# Altium PCB MdBBCar_Face_v1.1.PcbDoc (continued)
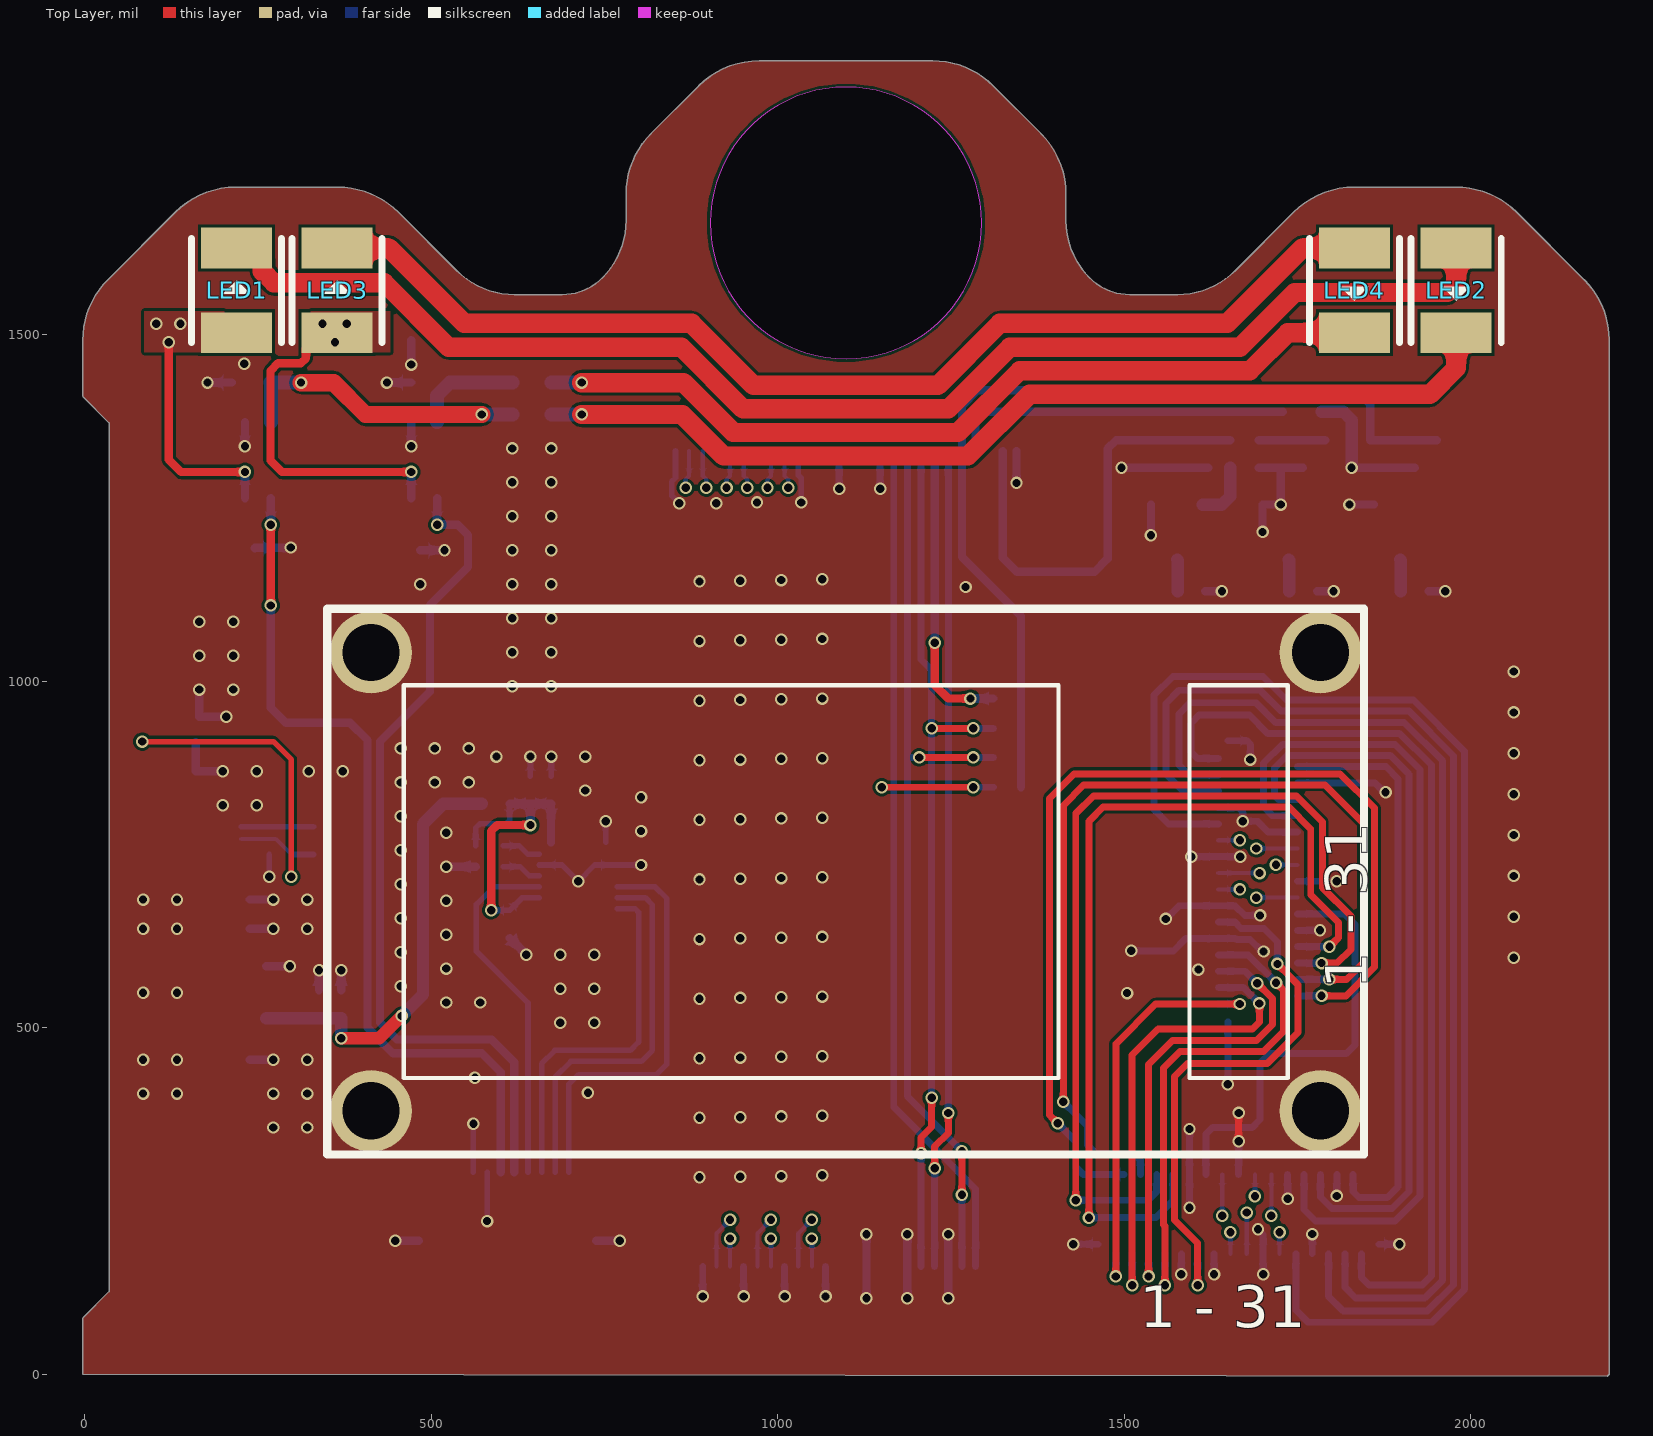
[diagram p0: Top Layer view]
## Components (designator, comment, footprint, x,y, rotation, side; value= is the part's Value field where it differs from the comment)
C1 "10uF" "C 0402_L" 1919,1328 r270 bottom
C2 "100nF" "C 0402_L" 1887,1328 r270 bottom
C3 "100nF" "C 0402_L" 1855,1328 r270 bottom
C4 "10uF" "C 0402_L" 1919,1130 r0 bottom
C5 "10uF" "C 0402_L" 1621,1328 r270 bottom
C6 "100nF" "C 0402_L" 1589,1328 r270 bottom
C7 "100nF" "C 0402_L" 1557,1328 r270 bottom
C8 "100nF" "C 0402_L" 1525,1328 r270 bottom
C9 "10uF" "C 0402_L" 1597,1130 r0 bottom
C10 "10uF" "C 0402_L" 1758,1328 r270 bottom
C11 "100nF" "C 0402_L" 613.06,649.4 r90 bottom
C12 "100nF" "C 0402_L" 584.06,732.4 r0 bottom
C13 "100nF" "C 0402_L" 673,843 r90 bottom
C14 "2.2uF" "C 0402_L" 643,843 r90 bottom
C15 "10uF" "C 0603_L" 217,1192 r180 bottom
C16 "10uF" "C 0603_L" 211,1492 r180 bottom
C17 "10uF" "C 0603_L" 456,1189 r180 bottom
C18 "10uF" "C 0603_L" 451,1492 r180 bottom
C19 "10uF" "C 0603_L" 210,454 r180 bottom
C20 "1uF" "C 0402_L" 338,534 r90 bottom
C21 "0.1uF" "C 0402_L" 370,534 r90 bottom
C22 "100nF" "C 0402_L" 1726,1328 r270 bottom
C23 "100nF" "C 0402_L" 1694,1328 r270 bottom
C24 "10uF" "C 0402_L" 1758,1130 r0 bottom
C25 "47uF" "C 0603_L" 1757,1389 r180 bottom
C26 "22uF" "C 0603_L" 210,643 r180 bottom
C27 "22uF" "C 0603_L" 132,870 r180 bottom
C28 "22uF" "C 0603_L" 132,912 r180 bottom
C29 "100nF" "C 0402_L" 145,949 r0 bottom
C30 "22uF" "C 0603_L" 210,685 r180 bottom
C31 "6.8pF" "C 0402_L" 330,770 r270 bottom
D1 "DSS34" SOD-123FL 115,1431 r270 bottom
D2 "DSS34" SOD-123FL 355,1431 r270 bottom
J1 "FPC-31P(交错脚)" "FPC 1H-WS-31P" 1692.91,711.42 r90 bottom
J2 "FPC-31P(交错脚)" "FPC 1H-WS-31P" 1665,231 r180 bottom
JP1 "FPC1.0-22P" "FPC0.5 2H-WS-22P" 1098.43,254 r0 bottom
JP2 "FPC1.0-26P" "FPC0.5 2H-WS-26P" 1098.43,1234 r180 bottom
JP3 "FPC1.0-10P" "FPC0.5 1H-WS-10P" 610,242 r180 bottom
L1 "FTC252012S2R2" 252012 104,788 r90 bottom
L2 "BLM15AX102SN1D" "L 0402" 593,823 r0 bottom
L3 "FTC252010S4R7MBCA" 252012 112,1290 r90 bottom
L4 "FTC252010S4R7MBCA" 252012 352,1290 r90 bottom
LED1 "红外" "LED 3528-2Pin" 219,1564 r270 top
LED2 "红外" "LED 3528-2Pin" 1979,1564 r90 top
LED3 "白色" "LED 3528-2Pin" 364,1564 r270 top
LED4 "白色" "LED 3528-2Pin" 1832,1564 r90 top
M1 "NUT" SMT-NUT-M1610 1783.07,1041.41 r180 bottom
M2 "NUT" SMT-NUT-M1610 1783.07,379.99 r180 bottom
M3 "NUT" SMT-NUT-M1610 412.99,1041.41 r180 bottom
M4 "NUT" SMT-NUT-M1610 412.99,379.99 r180 bottom
R1 "100K" "R 0402_L" 1331,975 r0 bottom
R2 "100K" "R 0402_L" 1331,932 r0 bottom
R3 "5.1K" "R 0402_L" 1331,890 r0 bottom
R4 "10K" "R 0402_L" 584.06,762.4 r180 bottom
R5 "2R" "R 0603_L" 240,1431 r0 bottom
R6 "1R" "R 0603_L" 499,1431 r0 bottom
R7 "5.1K" "R 0402_L" 1331,847 r0 bottom
R8 "0R" "R 0402_L" 1951,1328 r270 bottom
R9 "0R" "R 0402_L" 1653,1328 r270 bottom
R10 "0R" "R 0402_L" 1790,1328 r270 bottom
R11 "450K" "R 0402_L" 298,770 r270 bottom
R12 "120K" "R 0402_L" 266,770 r90 bottom
R13 "0R" "R 0603_L" 645,1385 r0 bottom
R14 "0R" "R 0603_L" 645,1431 r0 bottom
U1 "CJ6206A18N" SOT23-3L 1898,1215 r0 bottom
U2 "CJ6206A12M" SOT23-3L 1576,1215 r0 bottom
U3 "CJ6206A28N" SOT23-3L 1737,1215 r0 bottom
U4 "MPU6500" "QFN24 3X3" 712.13,711.2 r180 bottom
U5 "AP3031KTR-G1" SOT23-6L 231,1319 r0 bottom
U6 "CJ6206A33M" SOT23-3L 222,551 r270 bottom
U7 "AP3031KTR-G1" SOT23-6L 471,1319 r0 bottom
U8 "SY8843QWC" "QFN7 1.5X1.5" 204,768 r180 bottom

## Footprints (in the part's own frame and the unit in brackets; to place one, negate y for a bottom-side part, rotate by r counter-clockwise, add the part's x,y. Pads: shape width x height; smd on the part's side, far side on the other; paste and mask are expansions set on the pad)
252012 [mm]
  rect 0.85x1.905 smd: 1(-0.83,0) 2(0.83,0)
  silkscreen extent -0.29,-1.1 0.29,1.1, body extent -1.25,-1 1.25,1, height 1.2
"C 0402_L" [mil] "无极性贴片电容"
  rrect50% 20x20 smd: 1(20,0) 2(-20,0)
  silkscreen extent -7,-9 7,9, body extent -20,-10 20,10, height 20
"C 0603_L" [mil] "无极性贴片电容"
  rrect50% 28x30 smd: 1(-28,0) 2(28,0)
  silkscreen extent -10,-15 10,15, body extent -31,-16 31,16, height 31
"FPC0.5 1H-WS-10P" [mm]
  rect 0.6x0.8 smd: 0(-3.25,-1.25) 0(3.25,-1.25)
  rect 0.25x0.8 smd: 1(-2.25,1.25) 2(-1.75,1.25) 3(-1.25,1.25) 4(-0.75,1.25) 5(-0.25,1.25) 6(0.25,1.25) 7(0.75,1.25) 8(1.25,1.25) 9(1.75,1.25) 10(2.25,1.25)
  silkscreen extent -3.5,-2.33 3.5,1.3
"FPC0.5 2H-WS-22P" [mm] "长：15.2mm，宽：5.2mm，高：2mm"
  rect 1.8x2.2 smd: 0(-6.9,0) 0(6.9,0)
  rect 0.3x1.3 smd: 1(-5.25,2.497) 2(-4.75,2.497) 3(-4.25,2.497) 4(-3.75,2.497) 5(-3.25,2.497) 6(-2.75,2.497) 7(-2.25,2.497) 8(-1.75,2.497) 9(-1.25,2.497) 10(-0.75,2.497) 11(-0.25,2.497) 12(0.25,2.497) 13(0.75,2.497) 14(1.25,2.497) 15(1.75,2.497) 16(2.25,2.497) 17(2.75,2.497) 18(3.25,2.497) 19(3.75,2.497) 20(4.25,2.497) 21(4.75,2.497) 22(5.25,2.497)
  silkscreen extent -7.68,-3.3 7.68,3.23, body extent -7.6,-3.15 7.6,2.85, height 2
"FPC0.5 2H-WS-26P" [mm] "长：17.2mm，宽：5.2mm，高：2mm"
  rect 1.8x2.2 smd: 0(-7.9,0) 0(7.9,0)
  rect 0.3x1.3 smd: 1(-6.25,2.497) 2(-5.75,2.497) 3(-5.25,2.497) 4(-4.75,2.497) 5(-4.25,2.497) 6(-3.75,2.497) 7(-3.25,2.497) 8(-2.75,2.497) 9(-2.25,2.497) 10(-1.75,2.497) 11(-1.25,2.497) 12(-0.75,2.497) 13(-0.25,2.497) 14(0.25,2.497) 15(0.75,2.497) 16(1.25,2.497) 17(1.75,2.497) 18(2.25,2.497) 19(2.75,2.497) 20(3.25,2.497) 21(3.75,2.497) 22(4.25,2.497) 23(4.75,2.497) 24(5.25,2.497) 25(5.75,2.497) 26(6.25,2.497)
  silkscreen extent -8.68,-3.3 8.68,3.23, body extent -8.6,-3.15 8.6,2.85, height 2
"FPC 1H-WS-31P" [mm]
  rect 0.3x0.65 smd: 1(-4.5,-1.453) 2(-4.2,1.453) 3(-3.9,-1.453) 4(-3.6,1.453) 5(-3.3,-1.453) 6(-3,1.453) 7(-2.7,-1.453) 8(-2.4,1.453) 9(-2.1,-1.453) 10(-1.8,1.453) 11(-1.5,-1.453) 12(-1.2,1.453) 13(-0.9,-1.453) 14(-0.6,1.453) 15(-0.3,-1.453) 16(0,1.453) 17(0.3,-1.453) 18(0.6,1.453) 19(0.9,-1.453) 20(1.2,1.453) 21(1.5,-1.453) 22(1.8,1.453) 23(2.1,-1.453) 24(2.4,1.453) 25(2.7,-1.453) 26(3,1.453) 27(3.3,-1.453) 28(3.6,1.453) 29(3.9,-1.453) 30(4.2,1.453) 31(4.5,-1.453)
  rect 0.4x0.95 smd: 32(-5.15,-1.103) 33(5.15,-1.103)
  silkscreen extent -5.5,-2.08 5.5,1.6, body extent -5.45,-1.75 5.45,1.65, height 1
"L 0402" [mil] "小功率贴片电感"
  rrect50% 20x20 smd: 1(20,0) 2(-20,0)
  silkscreen extent -6,-9 6,9, body extent -20,-10 20,10, height 20
"LED 3528-2Pin" [mm] "2脚，3528LED"
  rect 1.5x2.6 smd paste+0 mask+0.05: 1(-1.55,0) 2(1.55,0)
  silkscreen extent -1.9,-1.65 1.91,1.65, body extent -1.77,-1.4 1.73,1.4, height 1.95
"QFN7 1.5X1.5" [mm]
  rect 0.7x0.25 smd paste+0 mask+0.05: 1(-0.55,0.563) 2(-0.55,0.113)
  rect 0.25x0.7 smd paste+0 mask+0.05: 3(-0.35,-0.563) 4(0.1,-0.563) 5(0.55,-0.563)
  rect 1.1x0.25 smd paste+0 mask+0.05: 6(0.55,0.113) 7(0.55,0.563)
  silkscreen extent -0.98,-0.66 0.85,0.9
"QFN24 3X3" [mm]
  oct 0.2x0.505 smd paste-100 mask+0.051: 1(-1,-1.427) 6(1,-1.427) 13(1,1.427) 18(-1,1.427)
  rect 0.2x0.505 smd paste-100 mask+0.051: 2(-0.6,-1.427) 3(-0.2,-1.427) 4(0.2,-1.427) 5(0.6,-1.427) 14(0.6,1.427) 15(0.2,1.427) 16(-0.2,1.427) 17(-0.6,1.427)
  oct 0.505x0.2 smd paste-100 mask+0.051: 7(1.427,-1) 12(1.427,1) 19(-1.427,1) 24(-1.427,-1)
  rect 0.505x0.2 smd paste-100 mask+0.051: 8(1.427,-0.6) 9(1.427,-0.2) 10(1.427,0.2) 11(1.427,0.6) 20(-1.427,0.6) 21(-1.427,0.2) 22(-1.427,-0.2) 23(-1.427,-0.6)
  rect 1.7x1.7 smd paste-100 mask+0.051: 25(0,0)
  silkscreen extent -1.58,-2.05 1.58,1.58, body extent -1.5,-1.5 1.5,1.5, height 0.98
"R 0402_L" [mil] "1/16W贴片电阻"
  rrect50% 20x20 smd: 1(20,0) 2(-20,0)
  silkscreen extent -6,-9 6,10, body extent -20,-10 20,10, height 14
"R 0603_L" [mil] "1/10W贴片电阻"
  rrect50% 28x30 smd: 1(-28,0) 2(28,0)
  silkscreen extent -11,-11 11,11, body extent -31,-16 31,16, height 16
SMT-NUT-M1610 [mm]
  round 3 hole 2.1: 1(0,0)
  body extent -1.5,-1.5 1.5,1.5, height 1
SOD-123FL [mil]
  rect 30x45.28 smd: 1(-61.3,2.79) 2(61.96,2.79)
  silkscreen extent -64,-34 56,40, body extent -71,-30 71,34, height 37
SOT23-3L [mil] "3x1.3x1mm(长宽高)"
  rect 36x46 smd: 1(-37.5,-40) 2(37.5,-40)
  rect 36x50 smd: 3(0.5,40)
  silkscreen extent -57,-45 58,45, body extent -59,-47 59,47, height 41
SOT23-6L [mm] "3x1.6x1.1mm(长宽高)"
  rect 0.45x1 smd: 1(-0.95,-1.397) 2(0,-1.397) 3(0.95,-1.397) 4(0.95,1.397) 5(0,1.397) 6(-0.95,1.397)
  silkscreen extent -1.77,-1.78 1.55,0.51, body extent -1.5,-1.4 1.5,1.4, height 1.15

## Part data
C1 C2 C3 C4 C5 C6 C7 C8 C9 C10 C11 C12 C13 C14 C15 C16 C17 C18 C19 C20 C21 C22 C23 C24 C25 C26 C27 C28 C29 C30 C31: library part C, "无极性贴片电容", BOM名称=无极性贴片电容, 学习资源=www.ooocke.com, 版权归属=源创客
D1 D2: "肖特基二极管"
J1 J2: "FPC连接器"
JP1: library part FPC-22P, "FPC连接器", BOM名称=FPC连接器, 学习资源=www.ooocke.com, 版权归属=源创客
JP2: library part FPC-26P, "FPC连接器", BOM名称=FPC连接器, 学习资源=www.ooocke.com, 版权归属=源创客
JP3: library part FPC-10P, "FPC连接器", BOM名称=FPC连接器, 学习资源=www.ooocke.com, 版权归属=源创客
L1 L3 L4: library part L-CD, "贴片功率电感", BOM名称=功率电感, 学习资源=www.ooocke.com, 版权归属=源创客
L2: library part L, "小功率贴片电感", BOM名称=小功率贴片电感, 学习资源=www.ooocke.com, 版权归属=源创客
LED1 LED2 LED3 LED4: library part LED-SMD, "贴片LED", BOM名称=贴片LED, 学习资源=www.ooocke.com, 版权归属=源创客
M1 M2 M3 M4: library part SMTNUT, "SMT表贴螺母"
R1 R2 R3 R4 R5 R6 R7 R8 R9 R10 R11 R12 R13 R14: library part R, "贴片电阻", BOM名称=贴片电阻, 学习资源=www.ooocke.com, 版权归属=源创客
U1 U2 U3 U6: library part LN6206PXXX, "三端稳压芯片 / 6V 250mA"
U4: "6轴IMU"
U5 U7: library part AP3031, "LED驱动"
U8: "DC-DC 1.5M / VIN:2.7~5.5V 3A"

## Via types
v1: diameter 18, hole 12, Top Layer to Bottom Layer, 287 vias

## Nets (pads, with @x,y where several pads share a name; then routed paths per layer and width w, separated by ;. In a path a pad name is that pad's centre, name@x,y a point inside that pad or via, vN(x,y) a via of type N, cw(c..) or ccw(c..) an arc to the next point about the centre after c; other vN are vias at no path point)
5V: C19.2 C26.2 C30.2 JP3.9 JP3.10 U6.3 U8.4 U8.5
AVCC_3V3: C20.2 C21.2 L2.2 U6.2 | length 624.3
  Top Layer w18: v1(370,485) 425,485 v1(457,517)
  Bottom Layer w18: U6.2 369.5,513.5 C21.2 v1(370,485) ; v1(457,517) 488,548 488,794 517,823 L2.2
AVDD_2V8: C10.2 C22.2 C23.2 C25.2 JP2.4 R10.2 | length 588.2
  Bottom Layer w12: JP2.4 1285.43,1375.3 1299.13,1389 C25.2 ; C23.2 C22.2 C10.2 R10.2
C1: J1.1 J2.31 | length 602.5
  Top Layer w10: v1(1487.84,141.07) 1487.84,476.84 1545.25,534.25 v1(1666.87,534.25)
  Bottom Layer w10: v1(1487.84,141.07) J2.31 ; J1.1 v1(1666.87,534.25)
C2: J1.2 J2.30 | length 1483.6
  Top Layer w10: v1(1404,362) 1392,374 1392,831 1427.4,866.4 1811.6,866.4 1861,817 1861,587.37 1819.69,546.06 v1(1784.69,546.06)
  Bottom Layer w10: v1(1404,362) 1430,336 1430,299 1440.8,288.2 J2.30 ; J1.2 v1(1784.69,546.06)
C3: J1.3 J2.29 | length 676.7
  Top Layer w10: v1(1511.45,128.3) 1511.45,460.45 1549,498 1685,498 1695,508 v1(1695,535)
  Bottom Layer w10: v1(1511.45,128.3) J2.29 ; J1.3 1672.13,557.87 v1(1695,535)
C4: J1.4 J2.28 | length 1384.6
  Top Layer w10: v1(1412,393) 1412,821 1441.4,850.4 1789.6,850.4 1845,795 1845,594 1820.68,569.68 v1(1796.07,569.68)
  Bottom Layer w10: v1(1412,393) 1447,358 1447,331 1460,318 1514,318 1523.27,308.74 J2.28 ; J1.4 v1(1796.07,569.68)
C5: J1.5 J2.27 | length 673.7
  Top Layer w10: v1(1535.07,141.07) 1535.07,447.07 1569.4,481.4 1691.03,481.4 1714,504.37 1714,542 v1(1692,564)
  Bottom Layer w10: v1(1535.07,141.07) J2.27 ; J1.5 1674.51,581.49 v1(1692,564)
C6: J1.6 J2.26 | length 1372.6
  Top Layer w10: v1(1430,251) 1430,809 1455.4,834.4 1748.6,834.4 1786,797 1786,702 1827,661 1827,613 1807.31,593.31 v1(1784.69,593.31)
  Bottom Layer w10: v1(1430,251) 1534,251 1546.89,263.89 J2.26 ; J1.6 v1(1784.69,593.31)
C7: J1.7 J2.25 | length 729.8
  Top Layer w10: v1(1558.7,128.3) 1558.7,213.67 1556.7,215.67 1556.7,441.7 1580.4,465.4 1700.73,465.4 1730,494.67 1730,554 v1(1719,565)
  Bottom Layer w10: v1(1558.7,128.3) J2.25 ; J1.7 1678.88,605.12 v1(1719,565)
C8: J1.8 J2.24 | length 1320.8
  Top Layer w10: v1(1449,226) 1449,798 1469.4,818.4 1737.6,818.4 1769.06,786.94 1769.06,691.94 1809,652 1809,629.86 v1(1796.07,616.93)
  Bottom Layer w10: v1(1449,226) 1546,226 1570.52,250.51 J2.24 ; J1.8 v1(1796.07,616.93)
C11: J1.11 J2.21 | length 805.6
  Top Layer w10: v1(1605.94,128.3) 1605.94,189.05 1572.7,222.3 1572.7,429.7 1591.4,448.4 1706.36,448.4 1751,493.04 1751,562 v1(1721,592)
  Bottom Layer w10: v1(1605.94,128.3) J2.21 ; J1.11 1659.64,652.36 1668.76,643.24 1701.76,643.24 1721,624 v1(1721,592)
C12: J1.12 J2.20 | length 637.9
  Bottom Layer w10: J2.20 1617.76,346.63 1627.13,356 1684.72,356 1696,367.28 1696,449 1710,463 1821,463 1833,475 1833,649 1817.83,664.17 J1.12
C23: J1.23 J2.9 | length 1898.7
  Bottom Layer w10: J1.23 1563.88,794.09 1543.06,814.91 1543.06,980.06 1570,1007 1700,1007 1734.23,972.77 1917.23,972.77 1991.06,898.94 1991.06,122.18 1943.88,75 1765,75 1747.68,92.32 J2.9
C24: J1.24 J2.8 | length 1224.9
  Bottom Layer w10: J1.24 1714.1,805.9 1701,819 1701,881.71 1728.06,908.77 1890.72,908.77 1927.06,872.43 1927.06,257.26 1890.8,221 1776,221 1759.48,237.51 J2.8
C26: J1.26 J2.6 | length 1067.6
  Bottom Layer w10: J1.26 1722.86,829.53 1717,835.39 1717,875.08 1734.69,892.77 1884.09,892.77 1911.06,865.8 1911.06,263.89 1886.18,239 1799.54,239 1783.1,255.44 J2.6
C27: J1.27 J2.5 | length 1679.8
  Bottom Layer w10: J1.27 1584.66,841.34 1560,866 1560,968 1579,987 1696,987 1726.23,956.77 1910.6,956.77 1975.06,892.31 1975.06,128.81 1937.25,91 1816,91 1794.93,112.07 J2.5
C29: J1.29 J2.3 | length 1513.8
  Bottom Layer w10: J1.29 1593.04,864.96 1579,879 1579,953 1595,969 1690,969 1718.23,940.77 1903.97,940.77 1959.06,885.68 1959.06,135.44 1933.63,110 1834,110 1818.55,125.45 J2.3
C30: J1.30 J2.2 | length 840.2
  Bottom Layer w10: J1.30 1877.46,876.77 1895.06,859.17 1895.06,270.51 1879.55,255 1839,255 1830.35,263.64 J2.2
C31: J1.31 J2.1 | length 1348.1
  Bottom Layer w10: J1.31 1605.62,888.58 1596,898.2 1596,939 1608,951 1680.46,951 1706.69,924.77 1897.35,924.77 1943.06,879.05 1943.06,142.06 1930,129 1853,129 1842.16,139.84 J2.1
CAM_3V3: C4.2 C9.2 C24.2 JP1.22 U1.3 U2.3 U3.3 | length 135.6
  Bottom Layer w18: U2.3 1577,1174.5 C9.2 ; U3.3 1738,1174.5 C24.2 ; U1.3 1899,1174.5 C4.2
CAM_MCLK: JP1.18 JP2.6 | length 1184.8
  Top Layer w10: v1(1226.38,297.38) 1226.38,328.38 1246.06,348.06 v1(1246.06,376.94)
  Bottom Layer w10: JP1.18 v1(1226.38,297.38) ; v1(1246.06,376.94) JP2.6
CAM_PWDN: JP2.7 R1.2 | length 430.4
  Top Layer w12: v1(1226.38,1055.62) 1226.38,994.62 1246,975 v1(1278,975)
  Bottom Layer w12: v1(1226.38,1055.62) JP2.7 ; v1(1278,975) R1.2
CAM_RST: JP1.17 JP2.8 R2.2 | length 1278.3
  Top Layer w10: v1(1206.69,318.69) 1206.69,341.43 1222,356.74 v1(1222,399) ; v1(1222,932) v1(1282,932)
  Bottom Layer w10: JP1.17 v1(1206.69,318.69) ; JP2.8 1206.69,1031.31 1222,1016 v1(1222,399) ; v1(1282,932) R2.2
CAM_SCL: JP1.20 JP2.9 R3.2 | length 1333.2
  Top Layer w10: v1(1204,890) v1(1282,890) ; v1(1265.75,258.75) v1(1265.75,321.75)
  Bottom Layer w10: JP2.9 1187.01,890 ; v1(1204,890) 1187.01,890 ; JP1.20 v1(1265.75,258.75) ; v1(1265.75,321.75) 1187.01,400.49 1187.01,890 ; v1(1282,890) R3.2
CAM_SDA: JP1.21 JP2.10 R7.2 | length 1404.3
  Top Layer w10: v1(1150,847) v1(1282,847)
  Bottom Layer w10: v1(1150,847) 1166.32,847 1167.32,848 ; JP2.10 1167.32,848 ; v1(1282,847) R7.2 ; JP1.21 1285.43,267.57 1167.32,385.68 1167.32,848
CSI_CLK_N: JP1.2 JP2.24 | length 1209
  SIG w4.79: v1(896.89,1279.16) 887.36,1269.63 887.36,1190.9 922,1156.26 922,232.1 v1(931.1,223)
  Bottom Layer w6: JP2.24 891.73,1296.16 896.89,1291 v1(896.89,1279.16) ; JP1.2 911.42,203.31 v1(931.1,223)
CSI_CLK_P: JP1.3 JP2.25 | length 1205.3
  SIG w4.79: v1(867.05,1279.16) 876.57,1269.63 876.57,1186.43 911.21,1151.79 911.21,215.68 v1(931.1,195.79)
  Bottom Layer w6: v1@866.89,1279.16 866.89,1291 872.05,1296.16 JP2.25 ; JP1.3 v1(931.1,195.79)
CSI_D0_N: JP1.5 JP2.21 | length 1209
  SIG w4.79: v1(955.94,1279.16) 946.42,1269.63 946.42,1206.84 981,1172.26 981,232.16 v1(990.16,223)
  Bottom Layer w6: JP2.21 950.79,1296.16 955.94,1291 v1(955.94,1279.16) ; JP1.5 970.47,203.31 v1(990.16,223)
CSI_D0_P: JP1.6 JP2.22 | length 1205.3
  SIG w4.79: v1(926.1,1279.16) 935.63,1269.63 935.63,1202.37 970.21,1167.79 970.21,215.74 v1(990.16,195.79)
  Bottom Layer w6: v1@925.94,1279.16 925.94,1291 931.1,1296.16 JP2.22 ; JP1.6 v1(990.16,195.79)
CSI_D1_N: JP1.8 JP2.18 | length 1209
  SIG w4.79: v1(1015,1279.16) 1005.47,1269.63 1005.47,1215.53 1041,1180 1041,231.21 v1(1049.21,223)
  Bottom Layer w6: JP2.18 1009.84,1296.16 1015,1291 v1(1015,1279.16) ; JP1.8 1029.53,203.31 v1(1049.21,223)
CSI_D1_P: JP1.9 JP2.19 | length 1205.3
  SIG w4.79: v1(985.16,1279.16) 994.68,1269.63 994.68,1211.06 999.37,1206.37 1030.21,1175.53 1030.21,214.79 v1(1049.21,195.79)
  Bottom Layer w6: v1@985,1279.16 985,1291 990.16,1296.16 JP2.19 ; JP1.9 v1(1049.21,195.79)
DOVDD_1V8: C1.2 C2.2 C3.2 JP2.5 R1.1 R2.1 R3.1 R7.1 R8.2 | length 1340.3
  Bottom Layer w12: R7.1 R3.1 R2.1 R1.1 1351,1094 1265.75,1179.25 JP2.5 1265.75,1397.49 1288.25,1420 1834.33,1420 1855,1399.33 C3.2 C2.2 C1.2 R8.2
DVDD_1V2: C5.2 C6.2 C7.2 C8.2 JP2.2 R9.2 | length 662.2
  Bottom Layer w12: JP2.2 1324.8,1178.2 1345,1158 1457,1158 1476,1177 1476,1335.55 1488.45,1348 C8.2 C7.2 C6.2 C5.2 R9.2
GND: C1.1 C2.1 C3.1 C4.1 C5.1 C6.1 C7.1 C8.1 C9.1 C10.1 C11.2 C12.2 C13.1 C14.1 C15.1 C16.1 C17.1 C18.1 C19.1 C20.1 C21.1 C22.1 C23.1 C24.1 C25.1 C26.1 C27.1 C28.1 C29.1 C30.1 J1.9 J1.10 J1.13 J1.16 J1.19 J1.22 J1.25 J1.28 J1.32 J1.33 J2.4 J2.7 J2.10 J2.13 J2.16 J2.19 J2.22 J2.23 J2.32 J2.33 JP1.1 JP1.4 JP1.7 JP1.10 JP1.13 JP1.16 JP1.19 JP2.1 JP2.11 JP2.14 JP2.17 JP2.20 JP2.23 JP2.26 JP3.0 JP3.7 JP3.8 M1.1 M2.1 M3.1 M4.1 R5.1 R6.1 R12.2 U1.1 U2.1 U3.1 U4.11 U4.18 U4.20 U4.25 U5.2 U6.1 U7.2 U8.7 | length 8682
  Top Layer w10: v1(1664.99,335.99) v1(1664.99,376.99)
  SIG w10: v1(858,1257) 858,1174 891.73,1140.27 v1(891.73,112.16)
  SIG w12: v1(911,1257) 911,1193 950.79,1153.21 v1(950.79,112.16) ; v1(970,1258) 970,1210 1009.84,1170.16 v1(1009.84,112.16) ; v1(1034,1258) 1034,1215 1068.9,1180.1 v1(1068.9,112.16)
  Bottom Layer w8: v1(266,718) R12.2 ; JP3.8 v1(560.78,361.43) ; v1(580.47,221) JP3.7 ; C14.1 v1(643,891.34) ; U4.11 688.51,734.82 v1(712.13,711.2) 735.75,734.82 U4.20 v1(802.64,734.82) ; C13.1 v1(673,891.34) ; U4.18 v1(751.5,797.84) ; JP2.26 852.36,1293.36 847,1288 847,1268 v1(858,1257) ; JP2.17 1029.53,1297.47 1034,1293 v1(1034,1258)
  Bottom Layer w10: v1(891.73,112.16) JP1.1 ; v1(950.79,112.16) JP1.4 ; v1(1009.84,112.16) JP1.7 ; v1(1068.9,112.16) JP1.10 ; v1(1088.58,1277.58) JP2.14 ; v1(1147.64,1277.58) JP2.11 ; v1(1426.43,187.57) J2.33 ; v1(1510,611) 1571,611 1588.74,628.74 J1.9 1660.63,628.74 1662.13,627.24 1681.59,627.24 1698.84,610 v1(1701,610) ; v1(1560,657) 1578.98,675.98 J1.13 1660.02,675.98 1674,662 v1(1696,662) ; v1(1582.32,144.43) J2.23 ; v1(1594.14,240.14) J2.22 v1(1594.14,353.86) ; v1(1596.85,746.85) J1.19 v1(1667.15,746.85) ; v1(1629.56,144.43) J2.19 ; J1.25 1665.06,817.71 1670.91,811.85 1670.91,798.09 v1(1671,798) 1692,798 1707.72,782.28 J1.22 ; v1(1649.49,418.51) J1.32 ; J1.33 1676.83,914.17 1682,909 v1(1682,887) ; J2.16 v1(1664.99,335.99) ; v1(1693,209) 1700.44,201.57 J2.13 v1(1700.44,144.43) ; v1(1735.86,253.14) J2.10 ; J1.10 v1(1782.45,640.55) ; J1.16 v1(1806.58,711.42) ; J1.28 1861.75,853.15 1874.9,840 v1(1877.06,840) ; J2.7 v1(1771.3,202.3) ; v1(1806.73,257.26) J2.4 ; J2.32 v1(1897.12,187.57)
  Bottom Layer w12: C28.1 C27.1 v1(199,870) ; v1(165,988) C29.1 v1(204,949) ; v1(177,1431) R5.1 ; v1(231,1339) U5.2 ; C19.1 v1(272,454) ; C26.1 v1(272,643) ; C30.1 v1(272,685) ; C15.1 245.5,1192.5 296.5,1192.5 v1(297,1193) ; U6.1 v1(296,588.5) ; C20.1 v1(338,583) ; C21.1 v1(370,583) ; v1(436,1431) R6.1 ; v1(448.05,192.78) JP3.0@482.05,192.78 ; v1(471,1339) U7.2 ; v1(471,1457) C18.1@471,1492 ; C17.1 v1(519,1189) ; v1(521.6,732.4) C12.2 ; C11.2 v1(637.06,605.4) ; JP3.0@737.95,192.78 v1(771.95,192.78) ; v1(1127.95,109.39) JP1.13 v1(1127.95,201.99) ; v1(1187.01,109.39) JP1.16 v1(1187.01,201.99) ; v1(1246.06,109.39) JP1.19 v1(1246.06,201.99) ; v1(1344.49,1286.14) JP2.1 ; v1(1496,1308) C8.1 C7.1 C6.1 C5.1 ; v1(1538.5,1210.5) U2.1 ; C9.1 v1(1641,1130) ; C23.1 C22.1 ; v1(1699.5,1215.5) U3.1 v1(1726,1255) C22.1 ; C10.1 C22.1 ; C24.1 v1(1802,1130) ; v1(1825,1255) U1.1 ; v1(1828,1308) C3.1 C2.1 C1.1 ; C4.1 v1(1963,1130)
  Bottom Layer w18: C25.1 1816,1389 1828,1377 v1(1828,1308)
  other v1: 887,284 946,285 1005,286 1064,287 272,356 321,356 887,370 946,371 1005,372 1064,373 84,405 133,405 272,405 321,405 726,406 563,428 84,454 133,454 321,454 887,456 946,457 1005,458 1064,459 686.06,507.4 735.06,507.4 521.6,536.4 570.6,536.4 887,542 946,543 1005,544 1064,545 84,550.5 133,550.5 1504,550 686.06,556.4 735.06,556.4 456,560 1607,584 521.6,585.4 2062.06,601 686.06,605.4 735.06,605.4 456,609 887,628 946,629 1005,630 1064,631 521.6,634.4 84,643 133,643 321,643 456,658 2062.06,660 521.6,683.4 84,685 133,685 321,685 456,707 887,714 946,715 1005,716 1064,717 2062.06,719 456,756 2062.06,778 521.6,781.4 802.64,783.82 887,800 946,801 1005,802 1064,803 456,805 199,821 248,821 802.64,832.82 2062.06,837 722,842.34 456,854 505,854 554,854 248,870 323,870 372,870 887,886 946,887 1005,888 1064,889 594,891.34 722,891.34 2062.06,896 456,903 505,903 554,903 2062.06,955 887,972 946,973 1005,974 1064,975 214,988 617,993 673,993 2062.06,1014 165,1037 214,1037 617,1042 673,1042 887,1058 946,1059 1005,1060 1064,1061 165,1086 214,1086 617,1091 673,1091 1271,1136 484,1140 617,1140 673,1140 887,1144 946,1145 1005,1146 1064,1147 617,1189 673,1189 617,1238 673,1238 617,1287 673,1287 617,1336 673,1336 230,1458
IMU_3V3: C11.1 C13.2 C14.2 L2.1 R4.1 U4.8 U4.13 | length 501
  Top Layer w12: v1(586.37,669.4) 586.37,783.71 595.13,792.46 v1(643,792.46)
  Bottom Layer w8: R4.1 564.06,788.4 570.06,794.4 608.06,794.4 613,799.34 L2.1 ; v1(586.37,669.4) C11.1 631.24,687.58 U4.8
  Bottom Layer w12: L2.1 C14.2 ; v1(643,792.46) C14.2 ; U4.13 672.76,822.76 C13.2 C14.2
IMU_CLK: JP3.2 U4.23 | length 558.7
  Bottom Layer w8: JP3.2 678.89,428.89 701.4,451.4 803.06,451.4 819.06,467.4 819.06,677.4 808.88,687.58 U4.23
IMU_CS: JP3.1 U4.22 | length 598.5
  Bottom Layer w8: JP3.1 698.58,418.58 712.4,432.4 825.06,432.4 840.06,447.4 840.06,686.4 823.13,703.33 U4.22
IMU_INT: R4.2 U4.12 | length 56.8
  Bottom Layer w8: R4.2 627.06,762.4 638.89,750.57 U4.12
IMU_MISO: JP3.4 U4.9 | length 519
  Bottom Layer w8: JP3.4 639.52,535.94 565.06,610.4 565.06,678 590.4,703.33 U4.9
IMU_MOSI: JP3.3 U4.24 | length 529.7
  Bottom Layer w8: JP3.3 659.21,448.21 678.4,467.4 787.06,467.4 799.06,479.4 799.06,666.4 793.63,671.83 U4.24
LED1_PWM: JP3.6 U5.4 | length 1239.7
  Top Layer w12: v1(268.4,1109.4) v1(268.4,1226)
  Bottom Layer w12: v1(268.4,1109.4) 268.4,961.6 290,940 383,940 408,915 408,500 445,463 573,463 600.15,435.85 JP3.6 ; v1(268.4,1226) U5.4
LED2_PWM: JP3.5 U7.4 | length 1221.5
  Bottom Layer w12: U7.4 v1(508.4,1226) 538,1226 553,1211 553,1165 498,1110 498,985 426,913 426,507.46 450.46,483 587,483 619.84,450.16 JP3.5
LIGHT_2V85: C15.2 C17.2 C27.2 C28.2 C29.2 C31.1 L1.2 L3.1 L4.1 R11.1 U5.6 U7.6 U8.2 | length 540.4
  Top Layer w8: v1(83,913) 272,913 298,887 v1(298,718)
  Bottom Layer w6: U8.2 275.57,772.43 R11.1
  Bottom Layer w8: v1(298,718) R11.1 C31.1
MIPI_TX0_N: J1.21 J2.11 | length 937.9
  SIG w4.79: v1(1666.97,770.47) 1682.29,785.79 1831.47,785.79 1862,755.26 1862,250.74 1829.22,217.97 1736.97,217.97 v1(1724.06,205.05)
  Bottom Layer w6: J1.21 v1(1666.97,770.47) ; J2.11 v1(1724.06,205.05)
MIPI_TX0_P: J1.20 J2.12 | length 942.6
  SIG w4.79: v1(1690.67,758.66) 1707.01,775 1827,775 1851.21,750.79 1851.21,255.21 1824.76,228.76 v1(1712.24,228.76)
  Bottom Layer w6: v1@1690.24,758.66 v1(1690.67,758.66) J1.20 ; v1@1712.24,228.33 v1(1712.24,228.76) J2.12
MIPI_TX1_N: J1.18 J2.14 | length 937.9
  SIG w4.79: v1(1688.62,256.95) 1673.79,271.79 1592.21,271.79 1576,288 1576,311.19 cw(c1582.24,311.19) 1582.24,317.42 1605.79,317.42 ccw(c1605.79,323.66) 1612.03,323.66 1612.03,331.98 ccw(c1605.79,331.98) 1605.79,338.21 1582.24,338.21 cw(c1582.24,344.45) 1576,344.45 1576,372 1576,390.61 1576,487.97 cw(c1582.24,487.97) 1582.24,494.21 1621.52,494.21 ccw(c1621.52,511.24) 1638.54,511.24 1638.54,519.55 ccw(c1621.52,519.55) 1621.52,536.58 1582.24,536.58 cw(c1582.24,542.82) 1576,542.82 1576,550.61 1576,616.74 1594.26,635 1709.26,635 1730.79,656.53 1730.79,723.12 v1(1718.87,735.04)
  Bottom Layer w6: v1(1688.62,256.95) J2.14 ; v1(1718.87,735.04) J1.18
MIPI_TX1_P: J1.17 J2.15 | length 938.8
  SIG w4.79: v1(1676.81,233.26) 1649.07,261 1587.74,261 1565.21,283.53 1565.21,390.61 1565.21,487.97 cw(c1582.24,487.97) 1582.24,505 1621.52,505 ccw(c1621.52,511.24) 1627.75,511.24 1627.75,519.55 ccw(c1621.52,519.55) 1621.52,525.79 1582.24,525.79 cw(c1582.24,542.82) 1565.21,542.82 1565.21,550.61 1565.21,621.21 1589.79,645.79 1704.79,645.79 1720,661 1720,698.4 v1(1695.17,723.23)
  Bottom Layer w6: J1.17 v1(1695.17,723.23) v1@1695.59,723.23 ; J2.15 v1(1676.81,233.26) v1@1676.81,233.68
MIPI_TX2_N: J1.15 J2.17 | length 940
  SIG w4.79: v1@1653.03,205.21 v1(1653.19,205.05) 1552.69,205.05 1530.37,227.37 1527.21,230.53 1527.21,247.16 1527.21,249.56 ccw(c1520.97,249.56) 1520.97,255.79 1509.84,255.79 cw(c1509.84,262.03) 1503.6,262.03 1503.6,270.35 cw(c1509.84,270.35) 1509.84,276.58 1520.97,276.58 ccw(c1520.97,282.82) 1527.21,282.82 1527.21,297.6 1527.21,334.23 1527.21,363.08 ccw(c1520.97,363.08) 1520.97,369.31 1517.7,369.31 cw(c1517.7,386.34) 1500.67,386.34 1500.67,394.66 cw(c1517.7,394.66) 1517.7,411.68 1521.01,411.68 ccw(c1521.01,417.92) 1527.24,417.92 1527.24,426.24 ccw(c1521.01,426.24) 1521.01,432.47 1492.82,432.47 cw(c1492.82,449.5) 1475.79,449.5 1475.79,457.82 cw(c1492.82,457.82) 1492.82,474.84 1520.97,474.84 ccw(c1520.97,481.08) 1527.21,481.08 1527.21,520.45 1527.21,664.47 1530.37,667.63 1550.74,688 1655.37,688 v1(1666.97,699.6)
  Bottom Layer w6: J1.15 v1(1666.97,699.6) ; J2.17 v1(1653.19,205.05)
MIPI_TX2_P: J1.14 J2.18 | length 940.7
  SIG w4.79: v1(1641.38,228.76) 1629.62,217 1556,217 1538,235 1538,334.23 1538,363.08 ccw(c1520.97,363.08) 1520.97,380.1 1517.7,380.1 cw(c1517.7,386.34) 1511.46,386.34 1511.46,394.66 cw(c1517.7,394.66) 1517.7,400.89 1521.01,400.89 ccw(c1521.01,417.92) 1538.03,417.92 1538.03,426.24 ccw(c1521.01,426.24) 1521.01,443.26 1492.82,443.26 cw(c1492.82,449.5) 1486.58,449.5 1486.58,457.82 cw(c1492.82,457.82) 1492.82,464.05 1520.97,464.05 ccw(c1520.97,481.08) 1538,481.08 1538,520.45 1538,660 1555.21,677.21 1680.09,677.21 v1(1690.67,687.79)
  Bottom Layer w6: v1@1641.38,228.33 v1(1641.38,228.76) J2.18 ; v1@1690.24,687.79 v1(1690.67,687.79) J1.14
NetC12_1: C12.1 U4.10 | length 57.4
  Bottom Layer w8: C12.1 628.06,732.4 641.39,719.07 U4.10
NetC16_2: C16.2 D1.1 LED1.2 U5.5 | length 324.5
  Top Layer w12: v1(121,1489) 121,1320 139,1302 v1(231,1302)
  Bottom Layer w12: U5.5 v1(231,1302)
  other v1: 103,1516 138,1516
NetC18_2: C18.2 D2.1 LED3.2 U7.5 | length 495.1
  Top Layer w12: v1(361,1489) 328.37,1489 318.82,1479.45 318.82,1466.03 311.79,1459 279,1459 268,1448 268,1318.64 284.64,1302 v1(471,1302)
  Bottom Layer w12: U7.5 v1(471,1302)
  other v1: 343,1516 378,1516
NetC31_2: C31.2 R11.2 R12.1 U8.1 | length 104.4
  Bottom Layer w8: U8.1 329.85,790.15 C31.2
NetD1_2: D1.2 L3.2 U5.1
NetD2_2: D2.2 L4.2 U7.1
NetL1_1: L1.1 U8.6
NetLED1_1: LED1.1 LED2.2 | length 1992.7
  Top Layer w28: LED1.1 240.65,1625.02 256.18,1609.49 256.18,1591.4 272.58,1575 432,1575 525,1482 861,1482 950,1393 1246,1393 1335,1482 1667,1482 1746,1561 1966,1561 1979,1574 LED2.2
NetLED2_1: LED2.1 R13.2 | length 1434.4
  Top Layer w28: v1(717,1385) 861.83,1385 921.83,1325 1274.17,1325 1363.17,1414 1941,1414 1979,1452 LED2.1
  Bottom Layer w20: R13.2 v1(717,1385)
NetLED3_1: LED3.1 LED4.2 | length 1632
  Top Layer w28: LED3.1 438.98,1625.02 547.65,1516.35 875.65,1516.35 965,1427 1231,1427 1320.35,1516.35 1648.35,1516.35 1757.02,1625.02 LED4.2
NetLED4_1: LED4.1 R14.2 | length 1248.5
  Top Layer w28: v1(717,1431) 863.92,1431 935.92,1359 1260.08,1359 1349.08,1448 1681.08,1448 1736.06,1502.98 LED4.1
  Bottom Layer w20: R14.2 v1(717,1431)
NetR5_2: R5.2 R13.1 U5.3 | length 425.2
  Top Layer w25: v1(312,1431) 359,1431 405,1385 v1(573,1385)
  Bottom Layer w20: U5.3 268.4,1430.6 R5.2 v1(312,1431) ; v1(573,1385) R13.1
NetR6_2: R6.2 R14.1 U7.3 | length 154.7
  Bottom Layer w20: U7.3 508.4,1412.4 R6.2 R14.1
NetR8_1: R8.1 U1.2
NetR9_1: R9.1 U2.2 | length 85.5
  Bottom Layer w18: U2.2 1641,1255 1653,1267 R9.1
NetR10_1: R10.1 U3.2
pads on no net: JP1.0 JP1.11 JP1.12 JP1.14 JP1.15 JP2.0 JP2.3 JP2.12 JP2.13 JP2.15 JP2.16 U4.1 U4.2 U4.3 U4.4 U4.5 U4.6 U4.7 U4.14 U4.15 U4.16 U4.17 U4.19 U4.21 U8.3

## Polygon pours and split planes (outlines as drawn)
GND on Bottom Layer "GND_L04_P033" (solid, remove dead copper, pour order 33): -3.02,0 -3.02,80 -2.13,82.13 34.98,119.25 34.98,1372.75 -2.13,1409.87 -3.02,1412 -3.02,1492 cw(c120.71,1492) 33.22,1579.49 130.51,1676.78 cw(c218,1589.29) 218,1713.02 365,1713.02 cw(c365,1589.29) 452.49,1676.78 536.78,1592.49 ccw(c620,1675.71) 620,1558.02 689.15,1558.02 ccw(c689.15,1639.14) 746.51,1581.78 ccw(c663.29,1665) 780.98,1665 780.98,1703 cw(c904.71,1703) 817.22,1790.49 885.94,1859.2 cw(c973.42,1771.71) 973.42,1895.44 1223.42,1895.44 cw(c1223.42,1771.71) 1310.91,1859.2 1379.63,1790.49 cw(c1292.14,1703) 1415.86,1703 1415.86,1665 ccw(c1533.56,1665) 1450.34,1581.78 ccw(c1507.7,1639.14) 1507.7,1558.02 1576.85,1558.02 ccw(c1576.85,1675.71) 1660.07,1592.49 1744.36,1676.78 cw(c1831.85,1589.29) 1831.85,1713.02 1978.85,1713.02 cw(c1978.85,1589.29) 2066.34,1676.78 2163.63,1579.49 cw(c2076.14,1492) 2199.86,1492 2199.86,1422.83 2199.87,0 2196.85,-3.01
LIGHT_2V85 on Bottom Layer "LIGHT_2V85_L04_P015" (solid, remove dead copper, pour order 15): 443,1285 443,1142 424.95,1123.95 66,1123.95 66,1285 176,1285 203,1285 203,1210 203,1170 213,1160 304,1160 314,1170 314,1276 323,1285
LIGHT_2V85 on Bottom Layer "LIGHT_2V85_L04_P030" (solid, remove dead copper, pour order 30): 66,804 66,1140 135,1140 135,935 122,922 122,804
NetL1_1 on Bottom Layer "NETL1_1_L04_P029" (solid, remove dead copper, pour order 29): 204,778 66,778 66,738 144,738 173,767 204,767
5V on Bottom Layer "5V_L04_P028" (solid, remove dead copper, pour order 28): 547,307 230,307 207,330 207,760 175,760 156,741 156,301 189,268 547,268
AVDD_2V8 on Bottom Layer "AVDD_2V8_L04_P024" (solid, remove dead copper, pour order 24): 1743,1387 1743,1344 1737,1338 1719,1338 1715,1342 1715,1387
CAM_3V3 on Bottom Layer "CAM_3V3_L04_P023" (solid, remove dead copper, pour order 23): 1299,130 1299,778 1332,811 1378,811 1392,825 1392,1090 1429,1127 1480,1127 1527,1174 1917,1174 1917,1150 1556,1150 1502,1096 1449,1096 1433,1080 1433,808 1400,775 1361,775 1340,754 1340,336 1322,318 1322,130
NetR8_1 on Bottom Layer "NETR8_1_L04_P022" (solid, remove dead copper, pour order 22): 1940,1318 1940,1301 1917,1278 1917,1232 1954,1232 1954,1288 1962,1296 1962,1318
NetR10_1 on Bottom Layer "NETR10_1_L04_P021" (solid, remove dead copper, pour order 21): 1780,1318 1780,1302 1756,1278 1756,1232 1793,1232 1793,1276 1802,1285 1802,1318
NetD2_2 on Bottom Layer "NETD2_2_L04_P014" (solid, remove dead copper, pour order 14): 443,1394 323,1394 314,1385 314,1306 414,1306 443,1335
NetD1_2 on Bottom Layer "NETD1_2_L04_P013" (solid, remove dead copper, pour order 13): 203,1394 83,1394 74,1385 74,1306 174,1306 203,1335
NetC18_2 on Bottom Layer "NETC18_2_L04_P011" (solid, remove dead copper, pour order 11): 326,1475 326,1534 441,1534 441,1475 415,1475
NetC16_2 on Bottom Layer "NETC16_2_L04_P009" (solid, remove dead copper, pour order 9): 86,1475 86,1534 201,1534 201,1475 175,1475
GND on Top Layer "GND_L01_P031" (solid, remove dead copper, pour order 31): -3.02,0 -3.02,80 -2.13,82.13 34.98,119.25 34.98,1372.75 -2.13,1409.87 -3.02,1412 -3.02,1492 cw(c120.71,1492) 33.22,1579.49 130.51,1676.78 cw(c218,1589.29) 218,1713.02 365,1713.02 cw(c365,1589.29) 452.49,1676.78 536.78,1592.49 ccw(c620,1675.71) 620,1558.02 689.15,1558.02 ccw(c689.15,1639.14) 746.51,1581.78 ccw(c663.29,1665) 780.98,1665 780.98,1703 cw(c904.71,1703) 817.22,1790.49 885.94,1859.2 cw(c973.42,1771.71) 973.42,1895.44 1223.42,1895.44 cw(c1223.42,1771.71) 1310.91,1859.2 1379.63,1790.49 cw(c1292.14,1703) 1415.86,1703 1415.86,1665 ccw(c1533.56,1665) 1450.34,1581.78 ccw(c1507.7,1639.14) 1507.7,1558.02 1576.85,1558.02 ccw(c1576.85,1675.71) 1660.07,1592.49 1744.36,1676.78 cw(c1831.85,1589.29) 1831.85,1713.02 1978.85,1713.02 cw(c1978.85,1589.29) 2066.34,1676.78 2163.63,1579.49 cw(c2076.14,1492) 2199.86,1492 2199.86,1422.83 2199.87,0 2196.85,-3.01
NetC18_2 on Top Layer "NETC18_2_L01_P012" (solid, remove dead copper, pour order 12): 326,1534 441,1534 441,1475 326,1475
NetC16_2 on Top Layer "NETC16_2_L01_P010" (solid, remove dead copper, pour order 10): 86,1534 201,1534 201,1475 86,1475
GND on SIG "GND_L03_P032" (solid, remove dead copper, pour order 32): -3.02,0 -3.02,80 -2.13,82.13 34.98,119.25 34.98,1372.75 -2.13,1409.87 -3.02,1412 -3.02,1492 cw(c120.71,1492) 33.22,1579.49 130.51,1676.78 cw(c218,1589.29) 218,1713.02 365,1713.02 cw(c365,1589.29) 452.49,1676.78 536.78,1592.49 ccw(c620,1675.71) 620,1558.02 689.15,1558.02 ccw(c689.15,1639.14) 746.51,1581.78 ccw(c663.29,1665) 780.98,1665 780.98,1703 cw(c904.71,1703) 817.22,1790.49 885.94,1859.2 cw(c973.42,1771.71) 973.42,1895.44 1223.42,1895.44 cw(c1223.42,1771.71) 1310.91,1859.2 1379.63,1790.49 cw(c1292.14,1703) 1415.86,1703 1415.86,1665 ccw(c1533.56,1665) 1450.34,1581.78 ccw(c1507.7,1639.14) 1507.7,1558.02 1576.85,1558.02 ccw(c1576.85,1675.71) 1660.07,1592.49 1744.36,1676.78 cw(c1831.85,1589.29) 1831.85,1713.02 1978.85,1713.02 cw(c1978.85,1589.29) 2066.34,1676.78 2163.63,1579.49 cw(c2076.14,1492) 2199.86,1492 2199.86,1422.83 2199.87,0 2196.85,-3.01
GND on GND (split plane): 408 vertices, not listed, extent 17.08,17.11 2179.77,1875.34

## Other copper
Top Layer:
  text "1-TOP 2-GND 3-SIG 4-BOT" at 413,-157 h60

## Silkscreen, mask and mechanical layers (free items; w line width, h text height)
Top Overlay:
  lines w6: 460.24,427.24 460.24,994.17 1405.12,994.17 1405.12,427.24 460.24,427.24 ; 1594.09,427.24 1594.09,994.17 1735.83,994.17 1735.83,427.24 1594.09,427.24
  lines w12: 350,317 350,1104.4 1846.06,1104.4 1846.06,317 350,317
  text "1 - 31" at 1850,556 h60 r90
  text "1 - 31" at 1522,68 h60
Mechanical 1:
  circle w10: c1098.43,1661.4 r196.06
  lines w6: 0,1422.83 0,1492 ; 0,1492 cw(c120.71,1492) 35.36,1577.36 132.64,1674.64 cw(c218,1589.29) 218,1710 365,1710 cw(c365,1589.29) 450.36,1674.64 534.64,1590.36 ccw(c620,1675.71) 620,1555 689.15,1555 ccw(c689.15,1639.14) 748.64,1579.64 ccw(c663.29,1665) 784,1665 784,1703 cw(c904.71,1703) 819.36,1788.36 888.07,1857.07 cw(c973.42,1771.71) 973.42,1892.42 1098.42,1892.42 1223.42,1892.42 cw(c1223.42,1771.71) 1308.78,1857.07 1377.49,1788.36 cw(c1292.14,1703) 1412.85,1703 1412.85,1665 ccw(c1533.56,1665) 1448.21,1579.64 ccw(c1507.7,1639.14) 1507.7,1555 1576.85,1555 ccw(c1576.85,1675.71) 1662.21,1590.36 1746.49,1674.64 cw(c1831.85,1589.29) 1831.85,1710 1978.85,1710 cw(c1978.85,1589.29) 2064.21,1674.64 2161.49,1577.36 cw(c2076.14,1492) 2196.85,1492 2196.85,1422.83 2196.85,0 0,0 0,80 38,118 38,1374 0,1412 0,1492